# Altium PCB JSP016RB.PcbDoc (part 1 of 2) (continued)
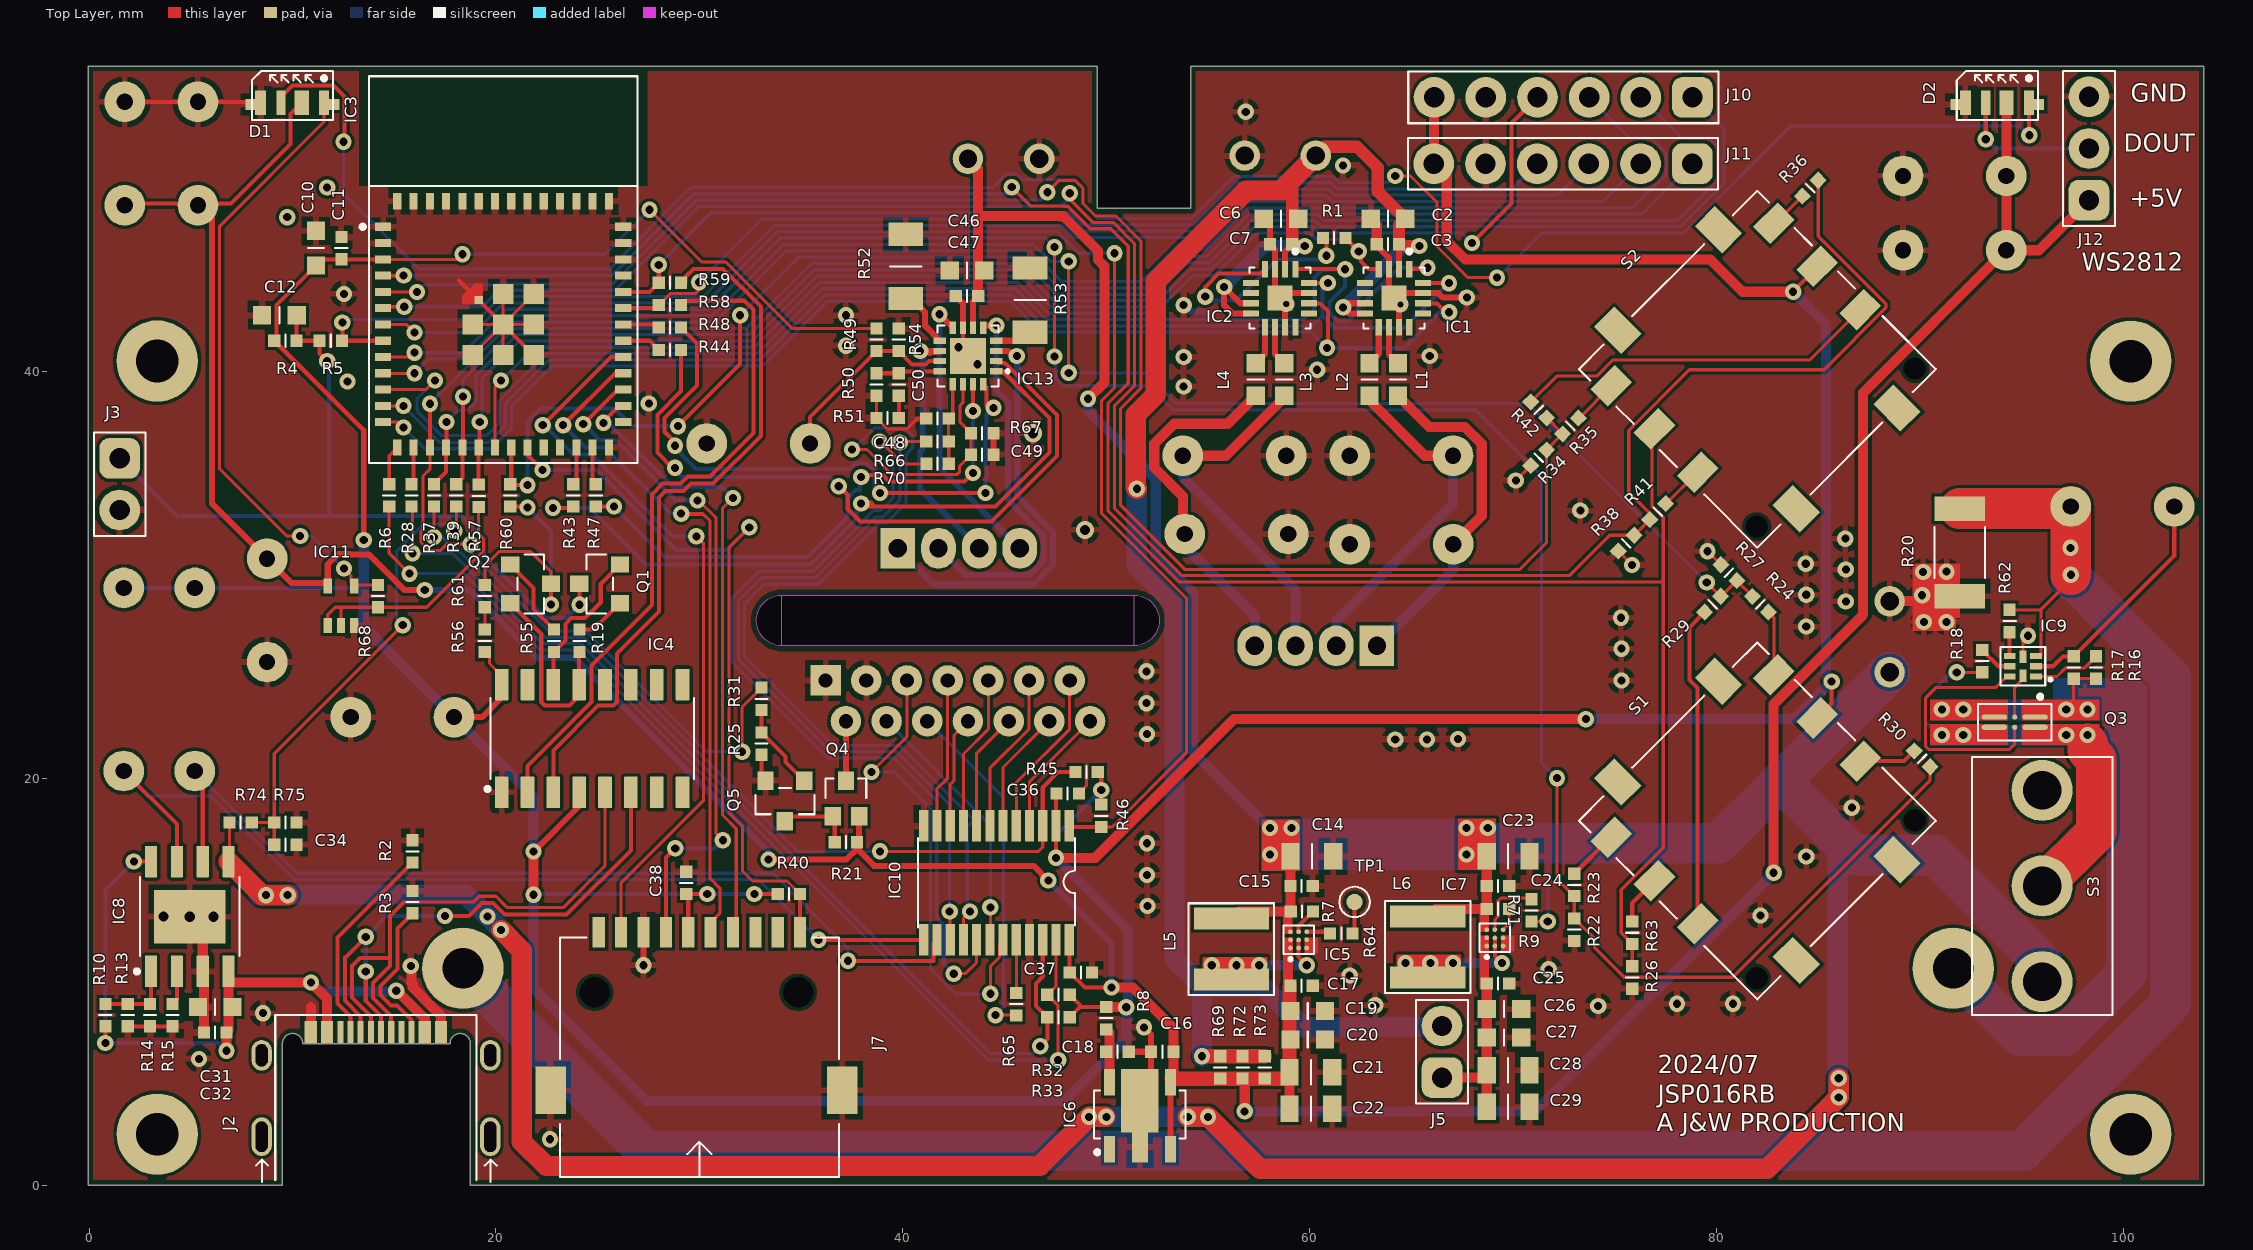
[diagram p0: Top Layer view]
## Footprints (in the part's own frame and the unit in brackets; to place one, negate y for a bottom-side part, rotate by r counter-clockwise, add the part's x,y. Pads: shape width x height; smd on the part's side, far side on the other; paste and mask are expansions set on the pad)
2-PIN-EMPTY [mm]
  rrect50% 2x2 hole 1: 1(-1.27,0)
  round 2 hole 1: 2(1.27,0)
  silkscreen extent -2.54,-1.27 2.54,1.27
3-PIN-EMPTY [mm]
  rrect50% 2x2 hole 1: 1(-3.81,0)
  round 2 hole 1: 2(-1.27,0) 3(1.27,0)
  silkscreen extent -5.08,-1.27 2.54,1.27
6-PIN-EMPTY [mm]
  rrect50% 2x2 hole 1: 1(-6.35,0)
  round 2 hole 1: 2(-3.81,0) 3(-1.27,0) 4(1.27,0) 5(3.81,0) 6(6.35,0)
  silkscreen extent -7.62,-1.27 7.62,1.27
2425755-1 [mm]
  round 0 hole 1.1 mask+0.05: 0(-5.5,-5.45) 0(5.5,-5.45)
  rect 1.4x1.9 smd mask+0.05: 0(-3.5,-6.2) 0(-3.5,6.2) 0(3.5,6.2) 0(3.5,-6.2)
  rect 1.7x1.2 smd mask+0.05: 1(-5.65,4.5) 2(-5.65,1.5) 3(-5.65,-1.5) 4(5.65,4.5) 5(5.65,1.5) 6(5.65,-1.5)
  silkscreen extent -6.2,-6.2 6.2,6.2, body extent -6.2,-6.2 6.2,6.2, height 7.45
110990030 [mm]
  rect 1.7x2 hole 0.9 mask+0.05: 1(-3,0)
  oval 1.7x2 hole 0.9 mask+0.05: 2(-1,0) 3(1,0) 4(3,0)
  silkscreen extent -5,-3.54 5,2.2, body extent -5,-2.95 5,2.15, height 8.1
ANT11SF1CQE [mm]
  round 3 hole 1.9 mask+0.05: 1(-4.7,0) 2(0,0) 3(4.7,0)
  silkscreen extent -6.35,-3.45 6.35,3.45, body extent -6.35,-3.45 6.35,3.45, height 26.67
B075TZF7NN [mm]
  round 4 hole 2 mask+0.05: 1(-36.625,0) 2(36.625,0)
  silkscreen extent -38.5,-10.4 38.5,12.8, body extent -38.5,-10.4 38.5,10.4, height 21
C0402 [mm]
  rect 0.6x0.6 smd: 1(-0.55,0) 2(0.55,0)
  silkscreen extent 0,-0.3 0,0.3, body extent -0.45,-0.25 0.55,0.25, height 0.51
C0603 [mm]
  rect 0.9x0.9 smd: 1(-0.85,0) 2(0.85,0)
  silkscreen extent 0,-0.4 0,0.4, body extent -0.8,-0.5 0.8,0.45, height 0.81
C0805 [mm]
  rect 0.9x1.3 smd: 1(-1.05,0) 2(1.05,0)
  silkscreen extent 0,-0.6 0,0.6, body extent -1,-0.62 1,0.63, height 0.81
CD6.3H12TH [mm]
  round 1.5 hole 0.9: +(-1.75,0) -(1.75,0)
  silkscreen extent -4,-4 4,4, body extent -4,-4 4,4, height 12
CSP-6 [mm]
  round 0.25 smd mask+0.05: G(0,-0.25) G2(0,0.25)
  oval 1.25x0.25 smd mask+0.05: S(-1,-0.25) S(1,-0.25) S2(-1,0.25) S2(1,0.25)
  silkscreen extent -1.8,-1.35 1.8,0.9, body extent -1.8,-0.9 1.8,0.9, height 0.25
DSBGA-9 [mm]
  round 0.23 smd mask+0.05: A1(-0.4,0.4) A2(0,0.4) A3(0.4,0.4) B1(-0.4,0) B2(0,0) B3(0.4,0) C1(-0.4,-0.4) C2(0,-0.4) C3(0.4,-0.4)
  silkscreen extent -1,-0.75 0.7,0.75, body extent -0.6,-0.65 0.6,0.65, height 0.6
ESP32-MINI-1 [mm]
  rect 0.8x0.4 smd: 1(-5.9,4.8) 2(-5.9,4) 3(-5.9,3.2) 4(-5.9,2.4) 5(-5.9,1.6) 6(-5.9,0.8) 7(-5.9,0) 8(-5.9,-0.8) 9(-5.9,-1.6) 10(-5.9,-2.4) 11(-5.9,-3.2) 12(-5.9,-4) 13(-5.9,-4.8) 28(5.9,-4.8) 29(5.9,-4) 30(5.9,-3.2) 31(5.9,-2.4) 32(5.9,-1.6) 33(5.9,-0.8) 34(5.9,0) 35(5.9,0.8) 36(5.9,1.6) 37(5.9,2.4) 38(5.9,3.2) 39(5.9,4) 40(5.9,4.8)
  rect 0.4x0.8 smd: 14(-5.2,-6.05) 15(-4.4,-6.05) 16(-3.6,-6.05) 17(-2.8,-6.05) 18(-2,-6.05) 19(-1.2,-6.05) 20(-0.4,-6.05) 21(0.4,-6.05) 22(1.2,-6.05) 23(2,-6.05) 24(2.8,-6.05) 25(3.6,-6.05) 26(4.4,-6.05) 27(5.2,-6.05) 41(5.2,6.05) 42(4.4,6.05) 43(3.6,6.05) 44(2.8,6.05) 45(2,6.05) 46(1.2,6.05) 47(0.4,6.05) 48(-0.4,6.05) 49(-1.2,6.05) 50(-2,6.05) 51(-2.8,6.05) 52(-3.6,6.05) 53(-4.4,6.05) 54(-5.2,6.05)
  rect 0.4x0.4 smd: 55(-1.2,1.2)
  rect 1x1 smd: 56(0,1.5) 57(1.5,1.5) 58(1.5,0) 59(0,0) 60(-1.5,0) 61(-1.5,-1.5) 62(0,-1.5) 63(1.5,-1.5)
  Top Layer region: -1,1.1
  Top Layer region: -2,1 -1,1 -1,2 -1.4,2 -2,1.4 -2,1.4
  silkscreen extent -7,-6.8 6.6,12.2, body extent -6.6,-6.8 6.6,12.2, height 2.55
FB0603 [mm]
  rect 0.9x0.9 smd: 1(-0.8,0) 2(0.8,0)
  silkscreen extent 0,-0.4 0,0.4, body extent -0.8,-0.48 0.8,0.47, height 0.81
GSB1C4621DS1HR [mm]
  oval 1x1.9 hole 0.6 slot 1.5 at 90 deg mask+0.05: 0(-5.62,-2.575) 0(5.62,-2.575)
  oval 1x1.5 hole 0.6 slot 1.1 at 90 deg mask+0.05: 0(-5.62,1.425) 0(5.62,1.425)
  rect 0.6x1.1 smd mask+0.05: A1B12(-3.2,2.575) A4B9(-2.4,2.575) B1A12(3.2,2.575) B4A9(2.4,2.575)
  rect 0.3x1.1 smd mask+0.05: A5(-1.25,2.575) A6(-0.25,2.575) A7(0.252,2.575) A8(1.25,2.575) B5(1.75,2.575) B6(0.75,2.575) B7(-0.75,2.575) B8(-1.75,2.575)
  silkscreen extent -5.9,-4.8 5.94,3.4, body extent -5.77,-4.71 5.77,2.49, height 2.18
HLW14S-2C7LF [mm]
  rect 1.5x1.5 hole 0.7 mask+0.05: 1(-6.5,-1)
  round 1.5 hole 0.7 mask+0.05: 2(-5.5,1) 3(-4.5,-1) 4(-3.5,1) 5(-2.5,-1) 6(-1.5,1) 7(-0.5,-1) 8(0.5,1) 9(1.5,-1) 10(2.5,1) 11(3.5,-1) 12(4.5,1) 13(5.5,-1) 14(6.5,1)
  silkscreen extent -8.4,-2.89 8.4,1.95, body extent -8.3,-1.95 8.3,1.95, height 5.95
L4.2X4.2X2 [mm]
  rect 3.7x1.1 smd mask+0.05: 1(0,1.5) 2(0,-1.5)
  silkscreen extent -2.1,-2.25 2.1,2.25, body extent -2,-2 2,2, height 1.78
MSD-11-A [mm]
  rect 0x0 hole 1.5 mask+0.05: 0(-5.15,-2.95) 0(4.85,-2.95)
  rect 0.6x1.5 smd mask+0.05: 1(2.75,0) 2(1.65,0) 3(0.55,0) 4(-0.55,0) 5(-1.65,0) 6(-2.75,0) 7(-3.85,0) 8(-4.95,0) 9(4.95,0) 10(3.85,0)
  rect 1.5x2.34 smd mask+0.05: 11(-7.32,-7.77) 11(7.02,-7.77)
  silkscreen extent -6.85,-12.03 6.85,-0.25, body extent -6.85,-18.93 6.85,-0.25, height 1.85
R0402 [mm]
  rect 0.6x0.6 smd: 1(-0.55,0) 2(0.55,0)
  silkscreen extent 0,-0.3 0,0.3, body extent -0.6,-0.25 0.6,0.25, height 0.35
R1206 [mm]
  rect 1.15x1.7 smd: 1(-1.575,0) 2(1.575,0)
  silkscreen extent 0,-0.77 0,0.77, body extent -1.4,-0.63 1.4,0.62, height 0.8
R2010 [mm]
  rect 1.2x2.5 smd: 1(-2.15,0) 2(2.15,0)
  silkscreen extent -1.25,-1.25 1.25,1.25, body extent -2.5,-1.25 2.5,1.25, height 0.61
SK6812B [mm]
  rect 1x0.55 smd mask+0.05: 1(-1.8,0.038) 4(1.8,0.038)
  rect 0.5x1.2 smd mask+0.05: 1(-1.55,-0.038)
  rect 0.7x1.2 smd mask+0.05: 2(-0.45,-0.038)
  rect 0.45x1.2 smd mask+0.05: 3(0.575,-0.038)
  rect 0.55x1.2 smd mask+0.05: 4(1.575,-0.038)
  silkscreen extent -2,-1.6 2,0.8, body extent -2,-1.6 2,0.8, height 2
SOIC-8-E [mm]
  rrect10% 1.55x0.6 smd: 1(-2.7,1.905) 2(-2.7,0.635) 3(-2.7,-0.635) 4(-2.7,-1.905) 5(2.7,-1.905) 6(2.7,-0.635) 7(2.7,0.635) 8(2.7,1.905)
  rect 2.62x3.51 smd: E(-0.013,0)
  silkscreen extent -2.8,-2.45 1.95,2.7, body extent -3.01,-2.45 2.98,2.45, height 1.75
SOP-16 [mm]
  rrect10% 1.55x0.67 smd: 1(-2.65,4.445) 2(-2.65,3.175) 3(-2.65,1.905) 4(-2.65,0.635) 5(-2.65,-0.635) 6(-2.65,-1.905) 7(-2.65,-3.175) 8(-2.65,-4.445) 9(2.65,-4.445) 10(2.65,-3.175) 11(2.65,-1.905) 12(2.65,-0.635) 13(2.65,0.635) 14(2.65,1.905) 15(2.65,3.175) 16(2.65,4.445)
  silkscreen extent -2.57,-5 2,5.24, body extent -3.1,-4.96 3.13,5.02, height 1.58
SOT-23(-3) [mm]
  rect 0.8x0.9 smd: 1(-0.95,-1) 2(0.95,-1) 3(0,1)
  silkscreen extent -1.45,-0.65 1.45,0.65, body extent -1.5,-1.25 1.5,1.25, height 1.11
SOT-89-5 [mm]
  rect 0.55x1.3 smd mask+0.05: 1(-1.5,-1.65) 3(1.5,-1.65) 4(1.5,1.65) 5(-1.5,1.65)
  rect 0.8x1.5 smd mask+0.05: 2(0,-1.55)
  rect 1.85x3.125 smd mask+0.05: 2(0,0.738)
  silkscreen extent -2.25,-1.9 2.25,1.23, body extent -2.25,-2.2 2.25,2.3, height 1.54
SOT-323 [mm]
  rect 0.8x0.9 smd: D(0,0.875) G(-0.65,-0.875) S(0.65,-0.875)
  silkscreen extent -1,0.02 1,0.98, body extent -1,-1.13 1,0.97, height 0.9
TH5.08 [mm]
  round 2 hole 0.8: 1(-2.54,0) 2(2.54,0)
  silkscreen extent -3.77,-1.6 3.77,1.6, body extent -3.77,-1.1 2.79,1.6, height 6
TH6.3 [mm]
  round 2 hole 0.8: 1(-4.5,0) 2(4.5,0)
  silkscreen extent -6,-1.5 6,1.5, body extent -4.72,-1.2 4.72,1.2, height 2.4
TP_0.8MM [mm]
  round 0.8 smd paste-0.5: 1(0,0)
  silkscreen extent -0.75,-0.75 0.75,0.75, body extent -0.3,-0.3 0.3,0.3, height 0.1
TQFN-16 [mm]
  rect 0.8x0.3 smd: 1(-1.425,0.75) 2(-1.425,0.25) 3(-1.425,-0.25) 4(-1.425,-0.75) 9(1.425,-0.75) 10(1.425,-0.25) 11(1.425,0.25) 12(1.425,0.75)
  rect 0.3x0.8 smd: 5(-0.75,-1.425) 6(-0.25,-1.425) 7(0.25,-1.425) 8(0.75,-1.425) 13(0.75,1.425) 14(0.25,1.425) 15(-0.25,1.425) 16(-0.75,1.425)
  rect 1.23x1.23 smd: E(0,0)
  silkscreen extent -2.4,-1.5 1.5,1.5, body extent -1.5,-1.5 1.5,1.5, height 0.75
TSSOP-5 [mm]
  rect 0.75x0.4 smd mask+0.05: 1(-0.975,0.65) 2(-0.975,0) 3(-0.975,-0.65) 4(0.975,-0.65) 5(0.975,0.65)
  body extent -1.13,-1.12 1.12,1.13, height 1.15
TSSOP-24 [mm] "BQ78350-R1"
  rect 1.55x0.45 smd: 1(-2.8,3.575) 2(-2.8,2.925) 3(-2.8,2.275) 4(-2.8,1.625) 5(-2.8,0.975) 6(-2.8,0.325) 7(-2.8,-0.325) 8(-2.8,-0.975) 9(-2.8,-1.625) 10(-2.8,-2.275) 11(-2.8,-2.925) 12(-2.8,-3.575) 13(2.8,-3.575) 14(2.8,-2.925) 15(2.8,-2.275) 16(2.8,-1.625) 17(2.8,-0.975) 18(2.8,-0.325) 19(2.8,0.325) 20(2.8,0.975) 21(2.8,1.625) 22(2.8,2.275) 23(2.8,2.925) 24(2.8,3.575)
  silkscreen extent -2.2,-3.85 2.2,3.85, body extent -3.28,-3.95 3.28,3.95, height 1.2
VFQFPN-16 [mm]
  rect 0.63x0.3 smd: 1(-1.385,0.75) 2(-1.385,0.25) 3(-1.385,-0.25) 4(-1.385,-0.75) 9(1.385,-0.75) 10(1.385,-0.25) 11(1.385,0.25) 12(1.385,0.75)
  rect 0.3x0.63 smd: 5(-0.75,-1.385) 6(-0.25,-1.385) 7(0.25,-1.385) 8(0.75,-1.385) 13(0.75,1.385) 14(0.25,1.385) 15(-0.25,1.385) 16(-0.75,1.385)
  rect 1.75x1.75 smd: E(0,0)
  silkscreen extent -2,-1.5 1.5,1.5, body extent -1.57,-1.57 1.58,1.58, height 0.99
XFQFN-8 [mm]
  rect 0.3x0.58 smd mask+0.05: 1(-0.5,-0.64) 2(0,-0.64) 3(0.5,-0.64) 5(0.5,0.64) 6(0,0.64) 7(-0.5,0.64)
  rect 0.63x0.35 smd mask+0.05: 4(0.465,0) 8(-0.465,0)
  silkscreen extent -0.95,-1.4 0.95,1.1, body extent -0.75,-0.75 0.75,0.75, height 0.4

## Part data
C1 C45: library part 4, "CAP ALUM 470UF 20% 10V TH", Dielectric=Aluminium, Manufacturer="AISHI(Aihua Group)", manufacturer_ref=EGH1AM471E12OT, Package=d6.3h12TH, supplier_1_partnumber=C2924460, Tolerance=20%, Voltage=10V, id=4, price=0,0391, status=active, supplier_1=lcsc
C2 C6 C10 C19 C20 C26 C27 C31 C46: library part 1, "CAP CER 10UF 25V X5R 10% SMD", Dielectric=X5R, Manufacturer="Murata Electronics", manufacturer_ref=GRM188R61E106KA73D, Package=0603, supplier_1_partnumber=490-18214-1-ND, Tolerance=10%, Voltage=25V, id=1, price=0,06969, status=active, supplier_1=digikey
C3 C7 C11 C15 C17 C24 C25 C32 C34 C36 C37 C38 C47: library part 0, "CAP CER 0.1UF 50V X5R 0402", Dielectric=X5R, Manufacturer="Murata Electronics", manufacturer_ref=490-16356-1-ND, Package=0402, Tolerance=5%, Voltage=50V, id=0, price=0,00933, status="non stock", supplier_1=digikey, supplier_1_partnumber=490-16356-1-ND
C4 C5 C8 C9: library part 52, "CAP CER TH 220pF NP0 50V", Dielectric=X7R, Manufacturer=WMEC, Package=TH5.08, supplier_1_partnumber=C2761745, Tolerance=5%, Voltage=50V, id=52, price=0,0237, status=active, supplier_1=lcsc
C12: library part 34, "CAP CER 1UF 25V X5R 0603", Dielectric=X5R, Manufacturer=YAGEO, manufacturer_ref=CC0603KRX5R8BB105, Package=0603, supplier_1_partnumber=311-1445-1-ND, Tolerance=10%, Voltage=25V, id=34, price=0,01837, status=active, supplier_1=digikey
C13 C33 C35 C41 C42 C51: library part 51, "CAP CER TH 100nF X7R 50V", Dielectric=X7R, Manufacturer=FH, manufacturer_ref=C2761753, Package=TH5.08, supplier_1_partnumber=C385200, Tolerance=10%, Voltage=50V, id=51, price=0,0237, status=active, supplier_1=lcsc
C14 C21 C22 C23 C28 C29: library part 44, "CAP CER 4.7UF 25V X5R 0805", Dielectric=X5R, Manufacturer="Samsung Electro-Mechanics", manufacturer_ref=CL21A475KAQNNNE, Package=0805, supplier_1_partnumber=1276-1244-1-ND, Tolerance=10%, Voltage=25V, id=44, price=0,0374, status=active, supplier_1=digikey
C16 C18: library part 5, "CAP CER 1UF 16V X5R 0402", Dielectric=X5R, Manufacturer="Samsung Electro-Mechanics", manufacturer_ref=CL05A105KO5NNNC, Package=0402, supplier_1_partnumber=1276-1067-1-ND, Tolerance=10%, Voltage=16V, id=5, price=0,00898, status=active, supplier_1=digikey
C30: library part 6, "CAP ALUM 10UF 20% 25V TH", Dielectric=Aluminium, Manufacturer=Yunxing, manufacturer_ref=ECF1KM100E12OTPO, Package=d6,3h12TH, supplier_1_partnumber=C2841587, Tolerance=20%, Voltage=25V, id=6, price=0,0229, status=active, supplier_1=lcsc
C39 C40: library part 49, "CAP CER TH 1µF X7R 50V", Dielectric=X7R, Manufacturer=Dersonic, manufacturer_ref=CD1H105MC9BEF4E000, Package=TH5.08, supplier_1_partnumber=C263189, Tolerance=20%, Voltage=50V, id=49, price=0,0235, status=active, supplier_1=lcsc
C48 C49: library part 7, "CAP CER 10000PF 50V X7R 0402", Dielectric=X7R, Manufacturer="Samsung Electro-Mechanics", manufacturer_ref=CL05B103KB5NNNC, Package=0402, supplier_1_partnumber=1276-1028-1-ND, Tolerance=10%, Voltage=50V, id=7, price=0,00333, status=active, supplier_1=digikey
C50: library part 53, "CAP CER 0.022UF 50V X7R 0402", Dielectric=X7R, Manufacturer="Murata Electronics", manufacturer_ref=GRM155R71H223KA12D, Package=0402, supplier_1_partnumber=490-3884-1-ND, Tolerance=10%, Voltage=50V, id=53, price=0,09, status=active, supplier_1=digikey
D1 D2: library part 86, "ADDRESS LED DISCRETE RGB 4X2MM", Manufacturer="Adafruit Industries LLC", manufacturer_ref=WS2812-SIDE, supplier_1_partnumber=1528-4691-ND/485-4691, id=86, Package=SK6812B, price=0,365, status=active, supplier_1=digikey/mouser, type="ADDRESSABLE LED"
IC1 IC2: library part 91, "IC AMP CLASS D MONO 3.2W 16TQFN", Manufacturer="Maxim Integrated", manufacturer_ref=MAX98357A, Package=16-TQFN, supplier_1_partnumber=MAX98357AETE+TCT-ND, id=91, status=active, supplier_1=digikey, type=Amplifier
IC3: library part 80, "RF TXRX MOD BT TRACE ANT CHAS MT", Manufacturer="Espressif Systems", manufacturer_ref=ESP32-MINI-1-N4, Package=63-SMD, supplier_1_partnumber=1965-ESP32-MINI-1-N4CT-ND, id=80, price=2,12, status=active, supplier_1=digikey, type="MCU Wireless (Bluetooth)"
IC4: library part 79, "2Mbps Transceiver USB 2.0 SOP-16 USB ICs ROHS", Manufacturer="WCH(Jiangsu Qin Heng)", Package=16-SOP, supplier_1_partnumber=C84681, id=79, manufacturer_ref=CH340C, price=0,4996, status=active, supplier_1=lcsc, type="Wired (USB TO SERIAL)"
IC5 IC7: library part 84, "3.8-MHZ, 5.25-V / 4-A BOOST CONV", Manufacturer="Texas Instruments", manufacturer_ref=TPS61253E, Package=9-DSBGA, supplier_1_partnumber=296-TPS61253EYFFRCT-ND, id=84, price=0,92, status=active, supplier_1=digikey, type="Power Supply DC/DC (BOOST)"
IC6: library part 85, "IC REG LINEAR 3.3V 600MA SOT89-5", Manufacturer="Diodes Incorporated", manufacturer_ref=AP2112R5-3.3TRG1, Package=SOT-89-5, supplier_1_partnumber=31-AP2112R5-3.3TRG1CT-ND, id=85, status=active, supplier_1=digikey, type="Power Supply LDO"
IC8: library part 89, "IC ESOP-8 Battery Charger Management", Manufacturer=TOPPOWER, manufacturer_ref=TP4056-42-ESOP8, Package=8-ESOP, supplier_1_partnumber=C16581, id=89, price=0,2165, status=active, supplier_1=lcsc, type="Power Supply (Bat Charg)"
IC9: library part 94, "IC BATT MON LI-ION 1CELL 8X2QFN", Manufacturer="Texas Instruments", Package=8-XFQFN, supplier_1_partnumber=296-BQ298012RUGRCT-ND, id=94, manufacturer_ref=BQ298012, status=active, supplier_1=digikey, type="Power Supply (Bat Prot)"
IC10: library part 83, "IC XPNDR 400KHZ I2C 24TSSOP", Manufacturer="Diodes Incorporated", Package=24-TSSOP, supplier_1_partnumber=PI4IOE5V6416LEXDICT-ND, id=83, manufacturer_ref=PI4IOE5V6416LEX, price=0,869, status=active, supplier_1=digikey, type="Wired (Expander)"
IC11: library part 95, "IC GATE AND 1CH 2-INP 5TSSOP", Manufacturer="Nexperia USA Inc.", Package=5-TSSOP, supplier_1_partnumber=1727-6053-1-ND, id=95, manufacturer_ref=74HCT1G08GW, price=0,269, status=active, supplier_1=digikey, type="Logic Gate (AND)"
IC13: library part 81, "IC HALF BRIDGE DRV 1.3A 16VFQFPN", Manufacturer=STMicroelectronics, Package=16-VFQFPN, supplier_1_partnumber=497-16604-1-ND, id=81, manufacturer_ref=STSPIN240, status=active, supplier_1=digikey, type="MISC (Motor Driver)"
J1 J8: library part 58, "GROVE 2MM 4PIN VERT CONN 10PCS", Manufacturer="Seeed Technology Co., Ltd", manufacturer_ref=110990030, Package=Pin-4SR, supplier_1_partnumber=1597-1082-ND, id=58, nbr_positions_total=4, price=0,157, status=active, supplier_1=digikey
J2: library part 55, "USB2.0, TYPE C, MID MOUNT, CENTE", Manufacturer="Amphenol ICC (Commercial Products)", Package=Pin-16DR, supplier_1_partnumber=664-GSB1C4621DS1HRCT-ND, id=55, manufacturer_ref=GSB1C4621DS1HR, nbr_positions_total=16, price=0,52, status=active, supplier_1=digikey
J3 J5: library part 18, "CONN TH solder pad", manufacturer_ref=TH-2, Package=Pin-2SR, id=18, nbr_positions_total=2, price=0
J6: library part 57, "CONN FFC FPC VERT 14POS 1MM PCB", Manufacturer="Amphenol ICC (FCI)", manufacturer_ref=HLW14S-2C7LF, Package=Pin-14SR, supplier_1_partnumber=609-1827-ND, id=57, nbr_positions_total=14, price=0,21, status=active, supplier_1=digikey
J7: library part 56, "MICRO SD CARD CONNECTOR, 8 POSIT", Manufacturer="CUI Devices", Package=µsd, supplier_1_partnumber=2223-MSD-11-ACT-ND, id=56, manufacturer_ref=MSD-11-A, nbr_positions_total=11, status=active, supplier_1=digikey
J9: library part 59, "CONN BAT 18650", Manufacturer=KEESIN, manufacturer_ref=B075TZF7NN, Package=Pin-2SR, id=59, nbr_positions_total=2, price=0,978, status=active, supplier_1=amazon, supplier_1_partnumber=B075TZF7NN
J10 J11: library part 60, "CONN TH solder pad", manufacturer_ref="6-Pin TH", Package=Pin-6SR, id=60, nbr_positions_total=6, price=0, status=active
J12: library part 61, "CONN TH solder pad", manufacturer_ref="3-Pin TH", Package=Pin-3SR, id=61, nbr_positions_total=3, price=0, status=active
L1 L2 L3 L4: library part 4, "FERRITE BEAD 120 OHM 0603 1LN", current_rating=0.6A, dc_resistance=0.15, Manufacturer="TDK Corporation", manufacturer_ref=MMZ1608B121CTAH0, Package=0603, supplier_1_partnumber=445-MMZ1608B121CTAH0CT-ND, id=4, impedance=120, price=0,064, status=active, supplier_1=digikey
L5 L6: library part 14, "FIXED IND 1UH 5.8A 26 MOHM SMD", current_rating=5,8A, Manufacturer="Pulse Electronics", manufacturer_ref=PA4332.102NLT, Package=4.2X4.2, supplier_1_partnumber=553-3287-1-ND, Tolerance=20%, id=14, price=0,447, status=active, supplier_1=digikey
Q1 Q2 Q5: library part 7, "MOSFET N-CH 100V 170MA SOT23-3", current_rating=0.170A, Manufacturer="Diodes Incorporated", manufacturer_ref=BSS123-7-F, Package=SOT23-3, supplier_1_partnumber=NTR4003NT1GOSCT-ND, voltage_vds=100V, voltage_vgs_min=20V, id=7, price=0,0395, status=active, supplier_1=digikey, type="N channel"
Q3: library part 18, "MOSFET 2N-CH 6CSP", current_rating=27A, Manufacturer=onsemi, manufacturer_ref=EFC8811R-TF, Package=6-SMD, supplier_1_partnumber=EFC8811R-TFOSCT-ND, voltage_vds=12V, voltage_vgs_min=1.3V, id=18, status=active, supplier_1=digikey, type="N channel"
Q4: library part 14, "MOSFET P-CH 20V 820MA SOT323", current_rating=0.820A, Manufacturer="Diodes Incorporated", manufacturer_ref=DMG1013UW-7, Package=SOT-323, supplier_1_partnumber=DMG1013UW-7DICT-ND, voltage_vds=20V, voltage_vgs_min=-0.5V, id=14, price=0,06792, status=active, supplier_1=digikey, type="P channel"
R1: library part 93, "RES 210K OHM 1% 1/16W 0402", Manufacturer=YAGEO, manufacturer_ref=RC0402FR-07210KL, Package=0402, Power=1/16W, supplier_1_partnumber=311-210KLRCT-ND, Tolerance=1%, id=93, price=0,014, status=active, supplier_1=digikey
R2 R3: library part 94, "RES 5.1K OHM 1% 1/16W 0402", Manufacturer="Stackpole Electronics Inc", manufacturer_ref=RMCF0402FT5K10, Package=0402, Power=1/16W, supplier_1_partnumber=RMCF0402FT5K10CT-ND, Tolerance=1%, id=94, price=0,09, status=active, supplier_1=digikey
R4 R19 R55 R56 R61: library part 6, "RES SMD 10K OHM 1% 1/10W 0402", Manufacturer="Panasonic Electronic Components", manufacturer_ref=ERJ-2RKF1002X, Package=0402, Power=1/10W, supplier_1_partnumber=P10.0KLCT-ND, Tolerance=1%, id=6, price=0,00703, status=active, supplier_1=digikey
R5 R8 R31 R37 R39 R57 R58 R59 R60 R62 R64 R68 R69 R70 R72 R73: library part 8, "RES SMD 0 OHM JUMPER 1/10W 0402", Manufacturer="Panasonic Electronic Components", manufacturer_ref=ERJ-2GE0R00X, Package=0402, Power=1/10W, supplier_1_partnumber=P0.0JCT-ND, Tolerance=1%, id=8, price=0,00487, status=active, supplier_1=digikey
R6 R28 R43 R44 R47 R48 R65: library part 29, "RES SMD 100 OHM 1% 1/5W 0402", Manufacturer="Vishay Dale", manufacturer_ref=CRCW0402100RFKEDHP, Package=0402, Power=1/5W, supplier_1_partnumber=541-100YCT-ND, Tolerance=1%, id=29, price=0,01933, status=active, supplier_1=digikey
R7 R24 R30 R36 R42 R50 R54 R71: library part 39, "RES SMD 46.4K OHM 1% 1/16W 0402", Manufacturer=Yageo, manufacturer_ref=AC0402FR-0746K4L, Package=0402, Power=1/16W, supplier_1_partnumber=13-AC0402FR-0746K4LCT-ND, Tolerance=1%, id=39, price=0,00296, status=active, supplier_1=digikey
R9 R14 R21 R22 R23 R25 R26 R27 R29 R34 R35 R38 R40 R41 R63 R67 R74 R75: library part 7, "RES SMD 100K OHM 1% 1/10W 0402", Manufacturer="Panasonic Electronic Components", manufacturer_ref=ERJ-2RKF1003X, Package=0402, Power=1/10W, supplier_1_partnumber=P100KLCT-ND, Tolerance=1%, id=7, price=0,00735, status=active, supplier_1=digikey
R10: library part 53, "RES SMD 5K OHM 1% 1/16W 0402", Manufacturer=Yageo, manufacturer_ref=RC0402FR-075KL, Package=0402, Power=1/16W, supplier_1_partnumber=13-RC0402FR-075KLCT-ND, Tolerance=1%, id=53, price=0,00255, status=active, supplier_1=digikey
R11 R12: library part 83, "RES TH 100k OHM 5% 1/4W", Manufacturer=VO, manufacturer_ref=CR1/4W-100K±5%-RT52, Package=TH6.3, Power=1/4W, supplier_1_partnumber=C2894520, Tolerance=5%, id=83, price=0,0038, status=active, supplier_1=lcsc
R13: library part 1, "THERMISTOR NTC 10KOHM 3380K 0402", Manufacturer="Murata Electronics", manufacturer_ref=NCP15XH103F03RC, Package=0402, Power=1/10W, supplier_1_partnumber=490-4801-1-ND, Tolerance=1%, id=1, price=0,04977, status=active, supplier_1=digikey, type=NTC_THERMISTOR
R15 R51: library part 0, "RES SMD 1K OHM 1% 1/10W 0402", Manufacturer="Panasonic Electronic Components", manufacturer_ref=ERJ-2RKF1001X, Package=0402, Power=1/10W, supplier_1_partnumber=P1.00KLCT-ND, Tolerance=1%, id=0, price=0,00855, status=active, supplier_1=digikey
R16: library part 55, "CRGCQ 0402 27R 1%", Manufacturer="TE Connectivity Passive Product", manufacturer_ref=CRGCQ0402F27R, Package=0402, Power=1/16W, supplier_1_partnumber=A129608CT-ND, Tolerance=1%, id=55, price=0,00331, status=active, supplier_1=digikey
R17: library part 21, "RES SMD 330 OHM 1% 1/10W 0402", Manufacturer="Panasonic Electronic Components", manufacturer_ref=ERJ-2RKF3300X, Package=0402, Power=1/10W, supplier_1_partnumber=P330LCT-ND, Tolerance=1%, id=21, price=0,00648, status=active, supplier_1=digikey
R18: library part 52, "RES 2.2K OHM 5% 1/16W 0402", Manufacturer="Stackpole Electronics Inc", manufacturer_ref=RMCF0402JT2K20, Package=0402, Power=1/16W, supplier_1_partnumber=RMCF0402JT2K20CT-ND, Tolerance=5%, id=52, price=0,00182, status=active, supplier_1=digikey
R20: library part 28, "RES 0.003 OHM 1% 1.5W 2010", Manufacturer="Stackpole Electronics Inc", manufacturer_ref=CSNL2010FT3L00, Package=2010, Power=3/2W, supplier_1_partnumber=CSNL2010FT3L00CT-ND, Tolerance=1%, id=28, price=0,15695, status=active, supplier_1=digikey
R32 R33 R45 R46 R66: library part 1, "RES SMD 4.7K OHM 1% 1/10W 0402", Manufacturer="Panasonic Electronic Components", manufacturer_ref=ERJ-2RKF4701X, Package=0402, Power=1/10W, supplier_1_partnumber=P4.70KLCT-ND, Tolerance=1%, id=1, price=0,00901, status=active, supplier_1=digikey
R49: library part 65, "RES 330K OHM 1% 1/16W 0402", Manufacturer=YAGEO, manufacturer_ref=RC0402FR-13330KL, Package=0402, Power=1/16W, supplier_1_partnumber=13-RC0402FR-13330KLCT-ND, Tolerance=1%, id=65, price=0,013, status=active, supplier_1=digikey
R52 R53: library part 92, "RES 0.002 OHM 1% 1W 1206", Manufacturer="Thin Film Technology Corp.", manufacturer_ref=D1MPC1206DR002FF-T5, Package=1206, Power=1W, supplier_1_partnumber=4463-D1MPC1206DR002FF-T5TR-ND, Tolerance=1%, id=92, price=0,33, status=active, supplier_1=digikey
S1 S2: library part 2, "SWITCH NAVIGATION DGTL 50MA 12V", Manufacturer="TE Connectivity", supplier_1_partnumber=450-2425755-1CT-ND, id=2, manufacturer_ref=2425755-1, Package=2425755-1, price=0,25000, status=active, supplier_1=digikey
S3: library part 3, "SWITCH TOGGLE SPDT 5A 120V", Manufacturer="CIT Relay and Switch", manufacturer_ref=ANT11SF1CQE, supplier_1_partnumber=2449-ANT11SF1CQE-ND, id=3, Package=ANT11SF1CQE, price=1,98, status=active, supplier_1=digikey
TP1: library part 1, "Test point diameter 0.6mm", manufacturer_ref="Test Point 0.8MM", supplier_3_partnumber=0, id=1, Package="Test Point 0.8MM", price=0, supplier_3=0, type="Test Point"

## Free pads (board coordinates)
  round 4 hole 2.1 mask+0.05: 0(3.35,2.5) 0(3.35,40.5) 0(100.35,2.5) 0(100.35,40.495)

## Via types
v1: diameter 0.8, hole 0.4, Top Layer to Bottom Layer, tented both sides, 228 vias
v2: diameter 0.9, hole 0.5, Top Layer to Bottom Layer, tented both sides, 5 vias
v3: diameter 0.8, hole 0.4, Top Layer to Bottom Layer, 3 vias
v4: diameter 0.8, hole 0.3, Top Layer to Bottom Layer, tented both sides, 2 vias

## Nets (pads, with @x,y where several pads share a name; then routed paths per layer and width w, separated by ;. In a path a pad name is that pad's centre, name@x,y a point inside that pad or via, vN(x,y) a via of type N, cw(c..) or ccw(c..) an arc to the next point about the centre after c; other vN are vias at no path point)
3.3V: C10.1 C11.2 C13.1 C36.2 C38.2 IC3.3 IC4.4 IC4.16 IC10.2 J7.4 J10.6 J11.6 R4.2 R8.1 R11.1 R12.1 R32.2 R33.2 R40.2 R45.2 R46.2 R49.1 R56.1 S1.5 S2.5 | length 257.2
  Top Layer w0.15: IC3.3@14.45,45.5 18.225,45.5 18.35,45.625 v1(18.35,45.75) ; R56.1@19.45,26.2 19.685,25.965 19.685,25.635 20.28,25.04 IC4.16@20.28,24.6 ; v1(27.55,47.937) 30.121,45.367 31.3,45.367 34.566,42.1 R49.1@38.7,42.1
  Top Layer w0.2: R11.1@5.2,29.35 R11.1@5.2,29.65 ; R4.2@9.1,41.5 9.21,41.61 9.21,43.26 C10.1@11.15,45.2 11.45,45.5 IC3.3@14.45,45.5 ; J7.4@29.45,12.42 29.45,14.2 C38.2@29.35,14.3 29.357,14.306 v1(30.384,14.306) ; v1(32.7,14.306) 32.707,14.3 R40.2@33.85,14.3 ; v1(47.525,16.081) IC10.2@47.525,17.65 47.525,19.225 C36.2@47.55,19.25 ; R33.2@48.2,8.25 48.7,8.75 ; R32.2@48.2,9.35 48.7,8.85 48.7,8.75 ; R45.2@49.58,20.3 49.75,20.13 v1(49.75,19.415) R46.2@49.75,18.7 ; R8.1@50,8.75 48.7,8.75 ; J11.6@66.11,50.21 J11.6@66.1,50.2 J11.6@66.585,49.715 ; v1(83.76,43.91) 84.934,45.084 S2.5@84.934,45.156 ; S1.5@84.934,22.956 85.65,23.671 v1(85.65,24.75)
  Top Layer w0.25: R4.2@9.1,41.5 13.5,37.1 v1(13.5,31.7)
  Top Layer w0.3: C13.1@17.935,23 19.317,23 20.28,23.963 IC4.16@20.28,24.6 ; v1(21.849,16.39) 24.09,18.631 IC4.4@24.09,19.3
  Top Layer w0.5: v1(21.849,14.271) v1(21.849,16.39) ; v1(47.525,16.081) 49.452,16.081 56.271,22.9 v1(73.571,22.9) ; R8.1@50,8.75 50.967,8.75 v1(50.977,8.741) ; J11.6@66.11,50.21 J10.6@66.11,53.46 ; J11.6@66.585,49.715 66.735,49.565 66.735,46.39 67.635,45.49 68.644,45.49 ; 68.644,45.49 69.456,45.49 79.69,45.49 81.27,43.91 v1(83.76,43.91)
  Bottom Layer w0.15: v1(18.35,45.75) 25.363,45.75 v1(27.55,47.937)
  Bottom Layer w0.2: R12.1@1.7,29.35 R11.1@5.2,29.35 13.45,29.35 13.5,29.3 ; 13.5,27.71 14.19,27.02 14.19,26.745 ; v1(21.849,14.271) 21.885,14.306 v1(30.384,14.306) v1(32.7,14.306) ; v1(47.525,16.081) 47.525,17.19 v1(49.75,19.415)
  Bottom Layer w0.5: v1(13.5,31.7) 13.5,29.3 13.5,27.71 13.5,27.435 14.19,26.745 C13.1@17.935,23 21.849,19.086 v1(21.849,16.39) ; v1(21.849,14.271) 21.849,9.679 27.397,4.131 47.931,4.131 50.977,7.177 v1(50.977,8.741) 51.068,8.832 51.068,12.538 v1(47.525,16.081) ; v1(73.571,22.9) 83.8,22.9 v1(85.65,24.75) 85.373,25.027 85.373,42.297 v1(83.76,43.91)
5V: C16.1 C17.2 C19.1 C20.1 C21.1 C22.1 C35.1 C37.2 C39.2 C40.2 C41.1 C42.1 D1.2 D2.2 IC5.A1 IC5.A2 IC6.3 IC6.4 IC10.24 IC11.5 J12.1 Q4.S R21.1 R69.2 R72.2 R73.2 | length 194.5
  Top Layer w0.2: C41.1@1.75,48.16 1.825,48.235 5.35,48.235 6.981,48.235 9.91,51.164 9.91,52.648 D1.2@10.45,53.188 ; IC10.24@48.175,12.05 48.2,12.025 C37.2@48.2,10.45 48.942,9.708 v1(50.258,9.708) ; C17.2@59.05,9.8 59.05,11.311 IC5.A1@59.05,11.65 IC5.A2@59.05,12.05
  Top Layer w0.3: C39.2@5.35,48.235 6.034,47.551 6.034,33.506 C35.1@8.75,30.79 9.94,29.6 11.581,29.6 IC11.5@11.731,29.45 11.731,30.508 12.234,31.01 12.822,31.01 12.842,30.99 13.76,30.99 15.5,29.25 v1(16.5,29.25) ; v1(33.4,16) 37.225,16 37.75,16.525 ; Q4.S@37.85,18.125 37.85,16.95 R21.1@37.75,16.85 37.75,16.525 ; v1(47.15,14.966) 46.426,15.69 38.585,15.69 37.75,16.525 ; IC6.3@53.15,1.762 IC6.4@53.15,5.062 IC6.4@53.15,5.3
  Top Layer w0.5: v1(50.258,9.708) 51.305,9.708 53.3,7.713 C16.1@53.3,6.55 53.3,5.45 53.15,5.3 IC6.4@53.22,5.23 ; R72.2@56.7,5.23 56.8,5.13 v1(56.8,3.621) ; C22.1@59,3.75 C21.1@59,5.23 ; C17.2@59,9.75 C17.2@59.05,9.8 ; v1(82.8,15.35) 82.8,23.636 87.2,28.036 87.2,38.95 94.2,45.95 C40.2@94.24,45.95 ; D2.2@94.25,53.188 94.25,50.15 94.24,50.14 C42.1@94.24,49.6 C40.2@94.24,45.95 ; J12.1@98.3,48.41 95.84,45.95 C40.2@94.24,45.95
  Top Layer w0.7: IC6.4@53.22,5.23 59,5.23 59,8.55 C17.2@59,9.75
  Bottom Layer w0.3: v1(16.5,29.25) 18.681,29.25 22.014,25.917 23.873,25.917 33.4,16.39 v1(33.4,16) ; v1(47.15,14.966) 50.258,11.858 v1(50.258,9.708)
  Bottom Layer w0.5: v1(56.8,3.621) 71.071,3.621 v1(82.8,15.35)
5V-B: C1.+ C2.1 C3.2 C6.1 C7.2 IC1.2 IC1.7 IC1.8 IC2.2 IC2.7 IC2.8 J5.2 R69.1 R72.1 R73.1 | length 97.1
  Top Layer w0.3: IC2.8@57.115,42.84 56.19,42.84 55.79,43.24 v1(55.79,44.14) 56.59,43.34 IC2.7@57.115,43.34 ; IC2.2@58.79,45.015 58.79,45.89 C7.2@59.14,46.24 ; IC1.8@62.715,42.84 61.94,42.84 v1(61.64,43.14) 61.84,43.34 IC1.7@62.715,43.34 ; IC1.2@64.39,45.015 C3.2@64.39,46.24
  Top Layer w0.5: 58.64,48.884 59.14,48.884
  Top Layer w0.6: C7.2@59.14,46.24 59.14,48.884 ; C1.+@60.3,50.6 60.733,51.033 62.317,51.033 63.34,50.01 63.34,48.84 C2.1@64.69,47.49 64.39,47.19 C3.2@64.39,46.24 64.473,46.158 v1(65.386,46.158)
  Top Layer w0.7: v1(54.7,6.33) R69.1@55.6,6.33 R72.1@56.7,6.33 R73.1@57.79,6.33
  Top Layer w1: v1(51.5,34.226) 51.442,34.285 51.442,37.863 52.433,38.854 52.433,44.433 56.884,48.884 58.64,48.884 58.64,48.94 C1.+@60.3,50.6
  Bottom Layer w0.6: v1(55.79,44.14) 57.8,46.15 v1(59.75,46.15) ; v1(61.64,43.14) 64.658,46.158 v1(65.386,46.158)
  Bottom Layer w1: v1(51.5,34.226) 51.5,30.428 53.35,28.578 53.35,11.133 54.743,9.74 ; v1(54.7,6.33) 54.7,9.697 54.743,9.74 ; J5.2@66.5,7.82 66.45,7.77 59.68,7.77 57.71,9.74 54.743,9.74
A/O: IC10.18 J6.4 | length 12.9
  Top Layer w0.15: IC10.18@44.275,12.05 44.3,12.075 v1(44.3,13.65)
  Bottom Layer w0.15: J6.4@39.2,22.8 44.3,17.7 v1(44.3,13.65)
BAT-: C33.2 IC9.3 J9.2 R20.2 R62.2 | length 130.4
  Top Layer w0.15: R62.2@94.4,28.272 95.932,28.272 ; IC9.3@95.69,26 95.935,26 95.935,28.269 95.932,28.272 ; v1(97.41,30) 97.41,29.75 95.932,28.272
  Top Layer w2: R20.2@91.95,33.25 97.31,33.25 C33.2@97.41,33.35 v1(97.41,30)
  Bottom Layer w2: J9.2@18.375,10.65 27.335,1.69 95.071,1.69 102.31,8.929 102.31,24.98 99.41,27.88 99.41,27.896 97.556,29.75 97.41,29.75 v1(97.41,30) v1@97.41,31.321
  other v1: 97.387,31.321
D0: IC10.4 J6.14 | length 6.4
  Top Layer w0.15: IC10.4@46.225,17.65 46.225,19.825 J6.14@49.2,22.8
D1: IC10.5 J6.13 | length 8.2
  Top Layer w0.15: IC10.5@45.575,17.65 45.575,19.782 48.2,22.407 J6.13@48.2,24.8
D2: IC10.6 J6.12 | length 6.1
  Top Layer w0.15: IC10.6@44.925,17.65 44.925,20.525 J6.12@47.2,22.8
D3: IC10.7 J6.11 | length 7.9
  Top Layer w0.15: IC10.7@44.275,17.65 44.275,20.482 46.2,22.407 J6.11@46.2,24.8
D4: IC10.8 J6.10 | length 5.8
  Top Layer w0.15: IC10.8@43.625,17.65 43.625,21.225 J6.10@45.2,22.8
D5: IC10.9 J6.9 | length 7.7
  Top Layer w0.15: IC10.9@42.975,17.65 42.975,21.182 44.2,22.407 J6.9@44.2,24.8
D6: IC10.10 J6.8 | length 5.5
  Top Layer w0.15: IC10.10@42.325,17.65 42.325,19.687 42.51,19.872 42.51,22.11 J6.8@43.2,22.8
D7: IC10.11 J6.7 | length 7.4
  Top Layer w0.15: IC10.11@41.675,17.65 41.675,19.475 42.2,20 J6.7@42.2,24.8
D+: IC4.5 J2.A6 J2.B6 | length 27.7
  Top Layer w0.15: 15.456,13.88 15.497,13.921 18.901,13.921 19.175,14.195 19.999,14.195 20.561,13.633 23.302,13.633 25.36,15.692 IC4.5@25.36,19.3
  Top Layer w0.2: J2.A6@13.85,7.525 J2.A6@13.85,7.545 ; J2.A6@13.87,7.525 J2.A6@13.85,7.545 ; 14.765,11.16 13.327,11.16 12.93,10.763 12.93,9.214 13.85,8.294 J2.A6@13.85,7.545 ; J2.B6@14.85,7.525 14.85,8.312 13.96,9.202 13.96,9.927 14.795,10.762 14.795,13.219 15.456,13.88
D-: IC4.6 J2.A7 J2.B7 | length 28.6
  Top Layer w0.2: J2.B7@13.35,7.525 J2.B7@13.35,7.545 ; J2.B7@13.37,7.525 J2.B7@13.35,7.545 ; v1(13.6,10.5) 13.6,9.053 14.352,8.301 J2.A7@14.352,7.525 ; v1(13.6,12.2) 12.57,11.17 12.57,9.065 13.35,8.285 J2.B7@13.35,7.545 ; J2.A7@14.362,7.535 J2.A7@14.372,7.525 ; v1(17.49,13.22) 18.673,13.22 19.313,13.86 19.86,13.86 20.422,13.298 23.476,13.298 26.63,16.452 IC4.6@26.63,19.3
  Bottom Layer w0.2: v1(13.6,10.5) v1(13.6,12.2) 14.62,13.22 v1(17.49,13.22)
DIS-PWR: Q5.1 R25.1 R31.1 | length 4.3
  Top Layer w0.2: R31.1@33.05,23.35 R25.1@33.05,22.25 34.235,21.065 34.235,20.79 Q5.1@35.15,19.875
EN: IC10.20 R65.2 | length 2.6
  Top Layer w0.15: R65.2@45.575,9.44 IC10.20@45.575,12.05